# EAGLE board Mk4 Final a Panel score (EAGLE 9.0.1), part 21 of 24
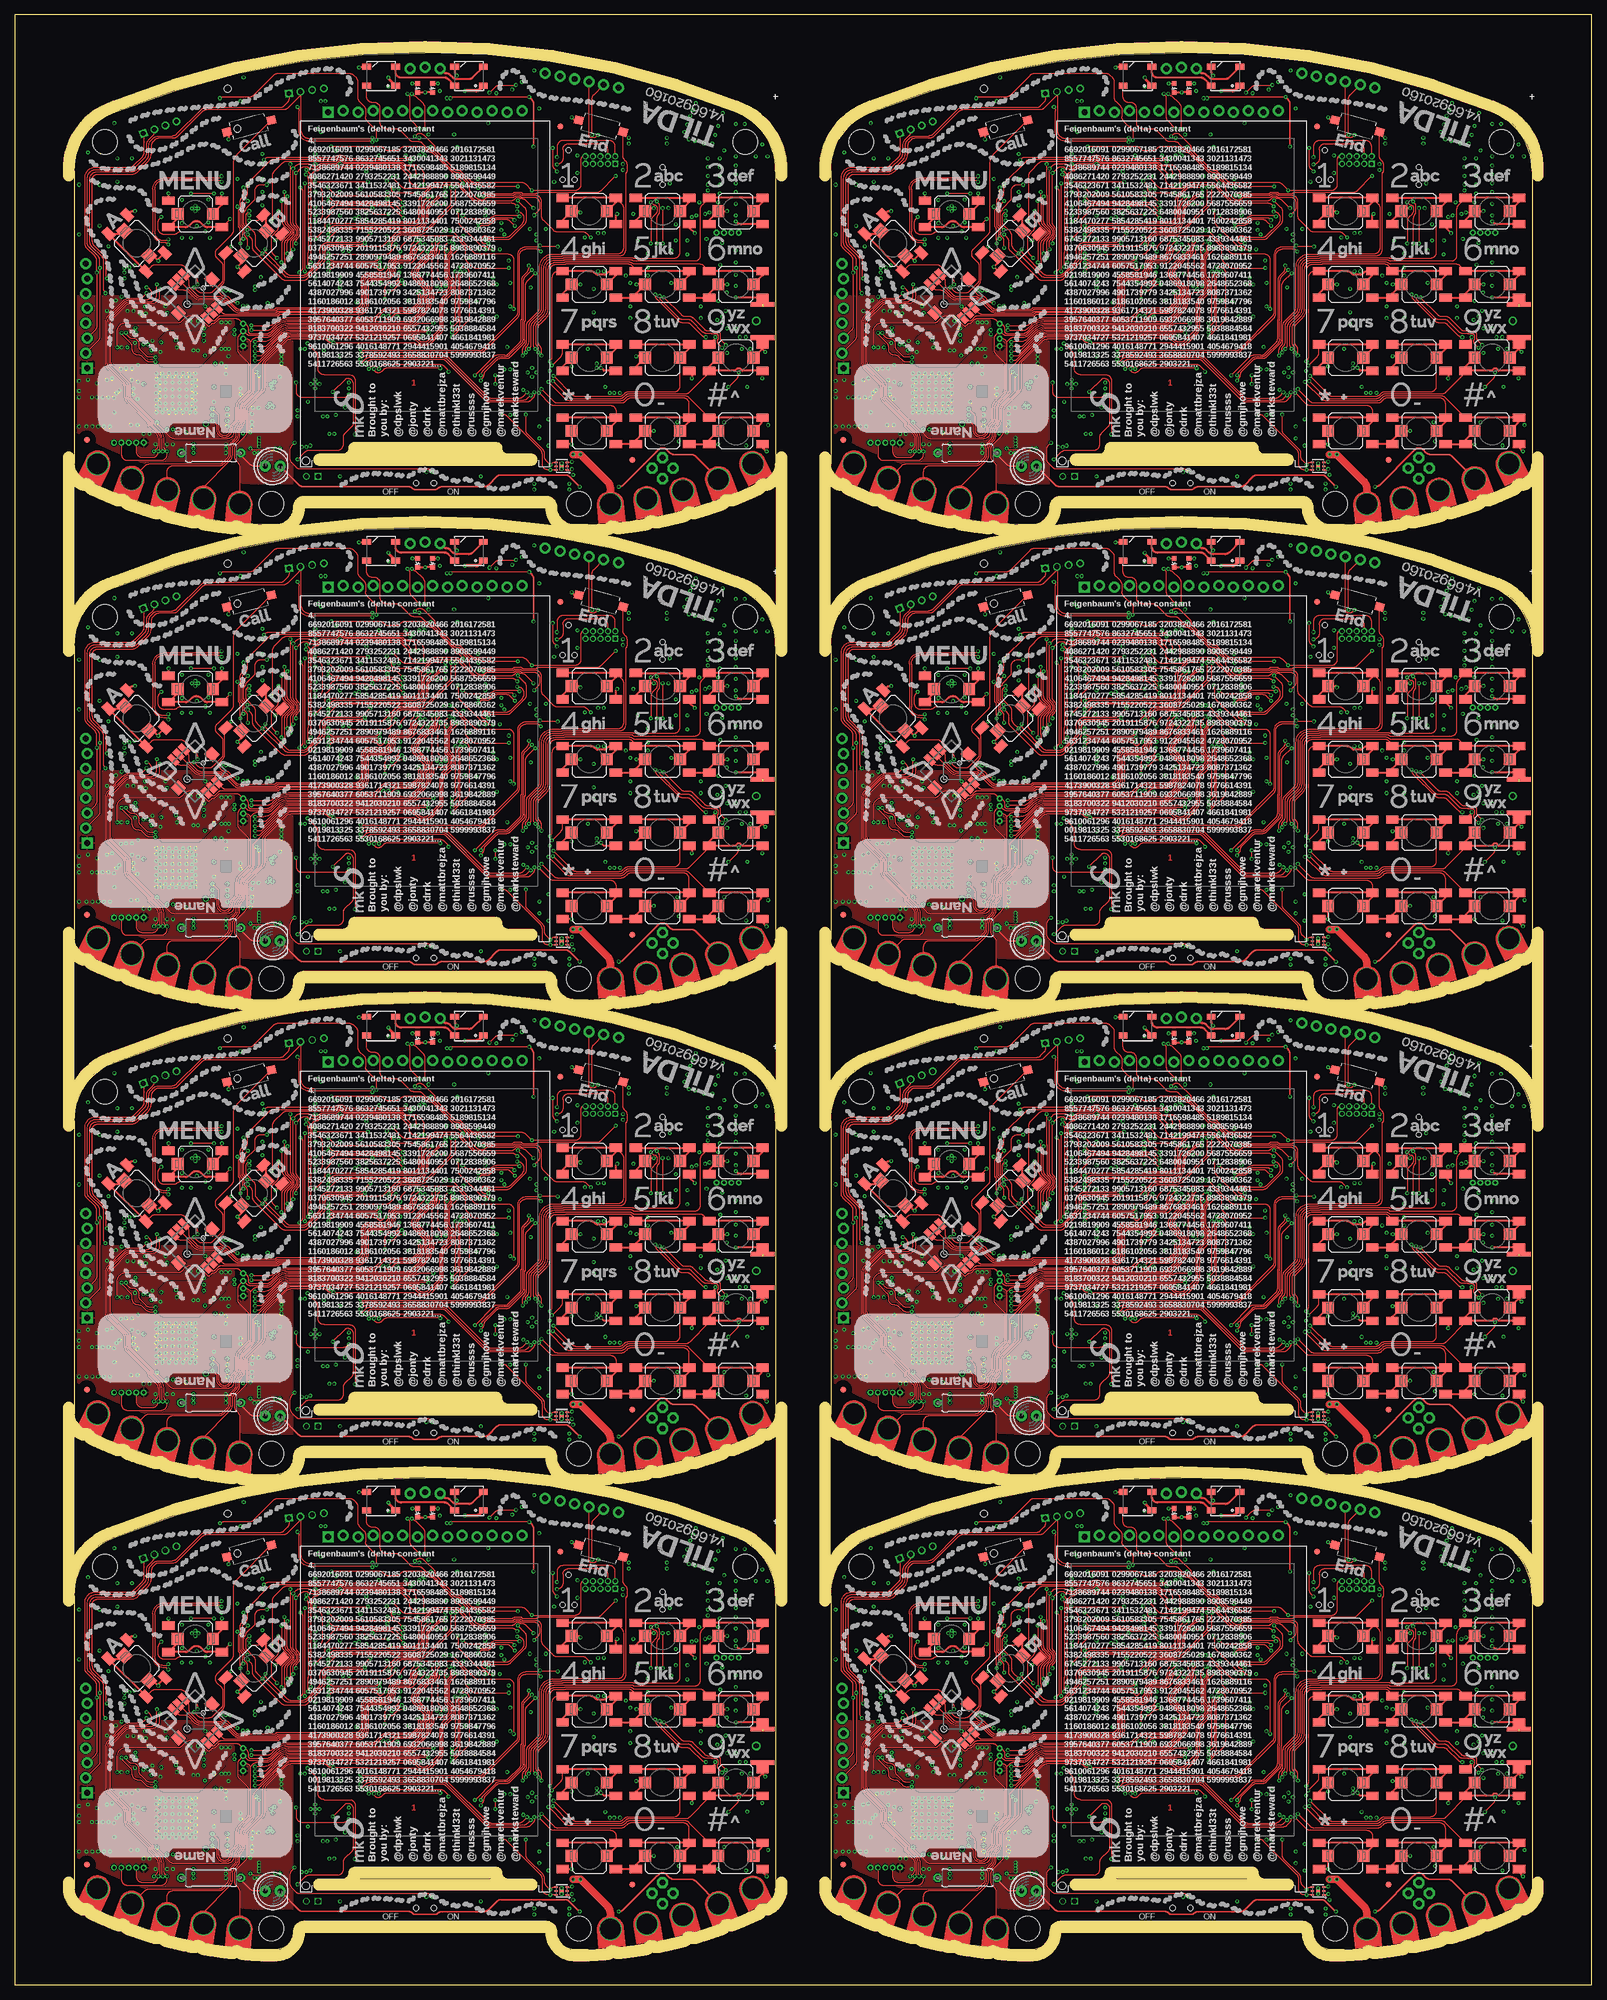
[diagram p0: board, top side]
## Tracks (layer width: path | path; a pad name or v marks a point on that pad's centre or on a via) (continued)
T4CCP13  (via drill 0.3) (continued)
  Bottom 0.15: v54.4,280.1 53.81,280.1 arc-45 53.45,280.25 50.11,283.59 arc45 48.88,284.1 43.11,284.1 arc-45 42.4,284.39 38.65,288.15 arc-45 38.5,288.5 38.5,288.7 arc90 37,290.2 34.02,290.2 arc-45 33.13,290.57 31.54,292.16 arc45 30.48,292.6 20.31,292.6 arc-45 v19.61,292.89 v19.6,292.9
  Bottom 0.2: IC110.128 76.41,295.8 arc-45 76.05,295.95 v75.8,296.2
T4CCP14  (via drill 0.3)
  Top 0.15: v204,296.2 203.72,295.92 arc45 203.57,295.57 arc-45 203.46,295.3 203.19,295.03 arc45 202.9,294.32 202.9,291.61 arc45 203.19,290.91 203.42,290.68 arc-45 203.6,290.24 203.62,290.22 203.62,289.55 arc-45 203.19,288.49 202.17,287.47 arc45 201.8,286.58 201.8,282.72 arc-45 201.43,281.83 199.87,280.27 arc-45 198.98,279.9 198.41,279.9 arc-45 197.71,280.19 197.29,280.61 arc45 196.59,280.9 183.26,280.9 arc45 182.9,280.75 v182.8,280.65 182.74,280.71 arc45 182.04,281 176.07,281 arc45 175.19,280.63 171.67,277.12 arc45 171.3,276.23 171.3,272.41 arc-45 171.01,271.71 168.67,269.37 arc45 168.3,268.48 168.3,267.01 arc-45 167.69,265.54 arc45 167.4,264.84 167.4,264.3 arc-45 166.96,263.24 166.52,262.79 arc45 166.15,261.91 166.15,260.97 arc-45 165.71,259.91 161.2,255.4 PCB7.CH2
  3V3@2 0.15: PCB7.CH2 | v149.4,293.2 149.4,292.9 149,292.5 149,290.5 148,289.5 146.5,289.5 145.6,288.6 145.6,287.6 141.37,283.37 JP71.4
  Bottom 0.15: v182.8,280.65 arc-45 182.29,280.86 179.34,283.81 arc45 177.92,284.4 172.23,284.4 arc-45 171.52,284.69 167.93,288.29 arc-45 167.8,288.6 167.8,288.75 arc90 166.05,290.5 163.06,290.5 arc-45 162.36,290.79 160.76,292.39 arc45 159.53,292.9 150.11,292.9 arc-45 v149.41,293.19 v149.4,293.2
  Bottom 0.2: v204,296.2 204.44,296.63 arc-90 205.14,296.63 205.43,296.35 arc45 205.78,296.2 IC128.127
T4CCP15  (via drill 0.3)
  Top 0.15: PCB7.CH1 167.38,258.9 arc45 167.09,259.61 166.74,259.96 arc-45 166.45,260.66 166.45,261.89 arc-45 166.74,262.59 168.28,264.12 arc45 168.6,264.91 168.6,268.46 arc-45 168.89,269.17 171.23,271.51 arc45 171.6,272.39 171.6,276.21 arc-45 171.89,276.92 175.38,280.41 arc-45 176.09,280.7 181.59,280.7 arc-45 182.29,280.41 182.45,280.25 arc45 182.81,280.1 v183.4,280.1 189,280.1 189.05,280.05 196.94,280.05 arc-45 197.64,279.76 arc45 198.02,279.6 199.08,279.6 arc45 200.14,280.04 201.66,281.56 arc45 202.1,282.62 202.1,286.49 arc-45 202.39,287.19 203.41,288.21 arc45 203.93,289.45 203.93,290.34 203.9,290.37 arc45 203.66,290.94 203.49,291.11 arc-45 203.2,291.81 203.2,294.19 arc-45 203.49,294.89 v204.8,296.2
  3V3@2 0.15: v148.6,292.9 148.6,290.6 148,290 146,290 145.25,289.25 145.25,288 143.16,285.91 JP71.5
  Bottom 0.15: v183.4,280.1 182.81,280.1 arc-45 182.45,280.25 179.11,283.59 arc45 177.88,284.1 172.11,284.1 arc-45 171.4,284.39 167.65,288.15 arc-45 167.5,288.5 167.5,288.7 arc90 166,290.2 163.02,290.2 arc-45 162.13,290.57 160.54,292.16 arc45 159.48,292.6 149.31,292.6 arc-45 v148.61,292.89 v148.6,292.9
  Bottom 0.2: IC128.128 205.41,295.8 arc-45 205.05,295.95 v204.8,296.2
TCA_!INT  (via drill 0.3)
  Top 0.15: v70.4,52.6 arc-45 70.12,52.02 68.29,50.19 arc90 68.29,47.71 69.85,46.15 arc-45 70,45.79 70,45.71 arc-45 69.85,45.35 69.65,45.15 arc45 69.5,44.79 69.5,44.35 arc-45 69.06,43.28 68.61,42.84 arc-45 67.55,42.4 64.91,42.4 arc45 64.21,42.11 v63.7,41.6
  Bottom 0.15: R76.1 64.7,33.25 arc-90 63.7,34.25 v63.7,41.6 | IC1.15 70.6,52.19 arc45 70.45,52.55 v70.4,52.6
  Bottom 0.2: IC4.22 85.71,32.25 arc-45 85.35,32.4 85.06,32.69 arc-45 85.05,32.72 arc45 84.9,33.07 84.87,33.1 arc45 84.52,33.25 R76.1
TCA_!INT1  (via drill 0.3)
  Top 0.15: v199.4,52.6 arc-45 199.12,52.02 197.29,50.19 arc90 197.29,47.71 198.85,46.15 arc-45 199,45.79 199,45.71 arc-45 198.85,45.35 198.65,45.15 arc45 198.5,44.79 198.5,44.35 arc-45 198.06,43.28 197.62,42.84 arc-45 196.55,42.4 193.91,42.4 arc45 193.21,42.11 v192.7,41.6
  Bottom 0.15: R152.1 193.7,33.25 arc-90 192.7,34.25 v192.7,41.6 | IC20.15 199.6,52.19 arc45 199.45,52.55 v199.4,52.6
  Bottom 0.2: IC31.22 214.71,32.25 arc-45 214.35,32.4 214.06,32.69 arc-45 214.05,32.72 arc45 213.9,33.07 213.87,33.1 arc45 213.51,33.25 R152.1
TCA_!INT2  (via drill 0.3)
  Top 0.15: v70.4,133.6 arc-45 70.12,133.02 68.29,131.19 arc90 68.29,128.71 69.85,127.15 arc-45 70,126.79 70,126.71 arc-45 69.85,126.35 69.65,126.15 arc45 69.5,125.79 69.5,125.35 arc-45 69.06,124.28 68.61,123.84 arc-45 67.55,123.4 64.91,123.4 arc45 64.21,123.11 v63.7,122.6
  Bottom 0.15: R230.1 64.7,114.25 arc-90 63.7,115.25 v63.7,122.6 | IC38.15 70.6,133.19 arc45 70.45,133.55 v70.4,133.6
  Bottom 0.2: IC49.22 85.71,113.25 arc-45 85.35,113.4 85.06,113.69 arc-45 85.05,113.72 arc45 84.9,114.07 84.87,114.1 arc45 84.52,114.25 R230.1
TCA_!INT3  (via drill 0.3)
  Top 0.15: v199.4,133.6 arc-45 199.12,133.02 197.29,131.19 arc90 197.29,128.71 198.85,127.15 arc-45 199,126.79 199,126.71 arc-45 198.85,126.35 198.65,126.15 arc45 198.5,125.79 198.5,125.35 arc-45 198.06,124.28 197.62,123.84 arc-45 196.55,123.4 193.91,123.4 arc45 193.21,123.11 v192.7,122.6
  Bottom 0.15: R308.1 193.7,114.25 arc-90 192.7,115.25 v192.7,122.6 | IC56.15 199.6,133.19 arc45 199.45,133.55 v199.4,133.6
  Bottom 0.2: IC67.22 214.71,113.25 arc-45 214.35,113.4 214.06,113.69 arc-45 214.05,113.72 arc45 213.9,114.07 213.87,114.1 arc45 213.51,114.25 R308.1
TCA_!INT4  (via drill 0.3)
  Top 0.15: v70.4,214.6 arc-45 70.12,214.02 68.29,212.19 arc90 68.29,209.71 69.85,208.15 arc-45 70,207.79 70,207.71 arc-45 69.85,207.35 69.65,207.15 arc45 69.5,206.79 69.5,206.35 arc-45 69.06,205.28 68.61,204.84 arc-45 67.55,204.4 64.91,204.4 arc45 64.21,204.11 v63.7,203.6
  Bottom 0.15: R386.1 64.7,195.25 arc-90 63.7,196.25 v63.7,203.6 | IC74.15 70.6,214.19 arc45 70.45,214.55 v70.4,214.6
  Bottom 0.2: IC85.22 85.71,194.25 arc-45 85.35,194.4 85.06,194.69 arc-45 85.05,194.72 arc45 84.9,195.07 84.87,195.1 arc45 84.52,195.25 R386.1
TCA_!INT5  (via drill 0.3)
  Top 0.15: v199.4,214.6 arc-45 199.12,214.02 197.29,212.19 arc90 197.29,209.71 198.85,208.15 arc-45 199,207.79 199,207.71 arc-45 198.85,207.35 198.65,207.15 arc45 198.5,206.79 198.5,206.35 arc-45 198.06,205.28 197.62,204.84 arc-45 196.55,204.4 193.91,204.4 arc45 193.21,204.11 v192.7,203.6
  Bottom 0.15: R464.1 193.7,195.25 arc-90 192.7,196.25 v192.7,203.6 | IC92.15 199.6,214.19 arc45 199.45,214.55 v199.4,214.6
  Bottom 0.2: IC103.22 214.71,194.25 arc-45 214.35,194.4 214.06,194.69 arc-45 214.05,194.72 arc45 213.9,195.07 213.87,195.1 arc45 213.51,195.25 R464.1
TCA_!INT6  (via drill 0.3)
  Top 0.15: v70.4,295.6 arc-45 70.12,295.02 68.29,293.19 arc90 68.29,290.71 69.85,289.15 arc-45 70,288.79 70,288.71 arc-45 69.85,288.35 69.65,288.15 arc45 69.5,287.79 69.5,287.35 arc-45 69.06,286.29 68.61,285.84 arc-45 67.55,285.4 64.91,285.4 arc45 64.21,285.11 v63.7,284.6
  Bottom 0.15: R542.1 64.7,276.25 arc-90 63.7,277.25 v63.7,284.6 | IC110.15 70.6,295.19 arc45 70.45,295.55 v70.4,295.6
  Bottom 0.2: IC121.22 85.71,275.25 arc-45 85.35,275.4 85.06,275.69 arc-45 85.05,275.71 arc45 84.9,276.07 84.87,276.1 arc45 84.52,276.25 R542.1
TCA_!INT7  (via drill 0.3)
  Top 0.15: v199.4,295.6 arc-45 199.12,295.02 197.29,293.19 arc90 197.29,290.71 198.85,289.15 arc-45 199,288.79 199,288.71 arc-45 198.85,288.35 198.65,288.15 arc45 198.5,287.79 198.5,287.35 arc-45 198.06,286.29 197.62,285.84 arc-45 196.55,285.4 193.91,285.4 arc45 193.21,285.11 v192.7,284.6
  Bottom 0.15: R620.1 193.7,276.25 arc-90 192.7,277.25 v192.7,284.6 | IC128.15 199.6,295.19 arc45 199.45,295.55 v199.4,295.6
  Bottom 0.2: IC139.22 214.71,275.25 arc-45 214.35,275.4 214.06,275.69 arc-45 214.05,275.71 arc45 213.9,276.07 213.87,276.1 arc45 213.51,276.25 R620.1
TPS_FB
  Bottom 0.25: IC9.2 R61.1 R60.2 C103.2
TPS_FB1
  Bottom 0.25: IC33.2 R139.1 R138.2 C211.2
TPS_FB2
  Bottom 0.25: IC51.2 R217.1 R216.2 C319.2
TPS_FB3
  Bottom 0.25: IC69.2 R295.1 R294.2 C427.2
TPS_FB4
  Bottom 0.25: IC87.2 R373.1 R372.2 C535.2
TPS_FB5
  Bottom 0.25: IC105.2 R451.1 R450.2 C643.2
TPS_FB6
  Bottom 0.25: IC123.2 R529.1 R528.2 C751.2
TPS_FB7
  Bottom 0.25: IC141.2 R607.1 R606.2 C859.2
UART0_CON_RX  (via drill 0.3)
  Top 0.15: v63.9,53.05 63.9,53.16 64.18,53.44 arc45 64.33,53.79 64.33,53.82 arc-45 64.47,54.17 65.51,55.21 arc-45 66.21,55.5 68.66,55.5 arc45 70.61,56.3 74.91,60.61 arc45 75.2,61.31 v75.2,63.5 | v99.5,72.5 v99.49,72.5 99.11,72.12 arc-45 98.76,71.97 98.47,71.97 arc-90 97.97,72.47 JP8.4
  Bottom 0.15: v63.9,53.05 63.85,53.05 63.75,52.95 arc-45 63.39,52.8 IC1.33 | v75.2,63.5 arc-45 75.47,64.14 78.13,66.81 arc-45 78.84,67.1 87.19,67.1 arc45 87.89,67.39 92.01,71.51 arc-45 92.71,71.8 98.59,71.8 arc45 98.95,71.95 v99.5,72.5
UART0_CON_RX1  (via drill 0.3)
  Top 0.15: v192.9,53.05 192.9,53.16 193.18,53.44 arc45 193.32,53.79 193.32,53.82 arc-45 193.47,54.17 194.51,55.21 arc-45 195.21,55.5 197.66,55.5 arc45 199.6,56.3 203.91,60.61 arc45 204.2,61.31 v204.2,63.5 | v228.5,72.5 v228.49,72.5 228.11,72.12 arc-45 227.76,71.97 227.47,71.97 arc-90 226.97,72.47 JP18.4
  Bottom 0.15: v192.9,53.05 192.85,53.05 192.75,52.95 arc-45 192.39,52.8 IC20.33 | v204.2,63.5 arc-45 204.47,64.14 207.13,66.81 arc-45 207.84,67.1 216.19,67.1 arc45 216.89,67.39 221.01,71.51 arc-45 221.71,71.8 227.59,71.8 arc45 227.95,71.95 v228.5,72.5
UART0_CON_RX2  (via drill 0.3)
  Top 0.15: v63.9,134.05 63.9,134.16 64.18,134.44 arc45 64.33,134.79 64.33,134.82 arc-45 64.47,135.17 65.51,136.21 arc-45 66.21,136.5 68.66,136.5 arc45 70.61,137.31 74.91,141.61 arc45 75.2,142.31 v75.2,144.5 | v99.5,153.5 v99.49,153.5 99.11,153.12 arc-45 98.76,152.97 98.47,152.97 arc-90 97.97,153.47 JP27.4
  Bottom 0.15: v63.9,134.05 63.85,134.05 63.75,133.95 arc-45 63.39,133.8 IC38.33 | v75.2,144.5 arc-45 75.47,145.14 78.13,147.81 arc-45 78.84,148.1 87.19,148.1 arc45 87.89,148.39 92.01,152.51 arc-45 92.71,152.8 98.59,152.8 arc45 98.95,152.95 v99.5,153.5
UART0_CON_RX3  (via drill 0.3)
  Top 0.15: v192.9,134.05 192.9,134.16 193.18,134.44 arc45 193.32,134.79 193.32,134.82 arc-45 193.47,135.17 194.51,136.21 arc-45 195.21,136.5 197.66,136.5 arc45 199.6,137.31 203.91,141.61 arc45 204.2,142.31 v204.2,144.5 | v228.5,153.5 v228.49,153.5 228.11,153.12 arc-45 227.76,152.97 227.47,152.97 arc-90 226.97,153.47 JP36.4
  Bottom 0.15: v192.9,134.05 192.85,134.05 192.75,133.95 arc-45 192.39,133.8 IC56.33 | v204.2,144.5 arc-45 204.47,145.14 207.13,147.81 arc-45 207.84,148.1 216.19,148.1 arc45 216.89,148.39 221.01,152.51 arc-45 221.71,152.8 227.59,152.8 arc45 227.95,152.95 v228.5,153.5
UART0_CON_RX4  (via drill 0.3)
  Top 0.15: v63.9,215.05 63.9,215.16 64.18,215.44 arc45 64.33,215.79 64.33,215.82 arc-45 64.47,216.17 65.51,217.21 arc-45 66.21,217.5 68.66,217.5 arc45 70.61,218.31 74.91,222.61 arc45 75.2,223.31 v75.2,225.5 | v99.5,234.5 v99.49,234.5 99.11,234.12 arc-45 98.76,233.97 98.47,233.97 arc-90 97.97,234.47 JP45.4
  Bottom 0.15: v63.9,215.05 63.85,215.05 63.75,214.95 arc-45 63.39,214.8 IC74.33 | v75.2,225.5 arc-45 75.47,226.14 78.13,228.81 arc-45 78.84,229.1 87.19,229.1 arc45 87.89,229.39 92.01,233.51 arc-45 92.71,233.8 98.59,233.8 arc45 98.95,233.95 v99.5,234.5
UART0_CON_RX5  (via drill 0.3)
  Top 0.15: v192.9,215.05 192.9,215.16 193.18,215.44 arc45 193.32,215.79 193.32,215.82 arc-45 193.47,216.17 194.51,217.21 arc-45 195.21,217.5 197.66,217.5 arc45 199.6,218.31 203.91,222.61 arc45 204.2,223.31 v204.2,225.5 | v228.5,234.5 v228.49,234.5 228.11,234.12 arc-45 227.76,233.97 227.47,233.97 arc-90 226.97,234.47 JP54.4
  Bottom 0.15: v192.9,215.05 192.85,215.05 192.75,214.95 arc-45 192.39,214.8 IC92.33 | v204.2,225.5 arc-45 204.47,226.14 207.13,228.81 arc-45 207.84,229.1 216.19,229.1 arc45 216.89,229.39 221.01,233.51 arc-45 221.71,233.8 227.59,233.8 arc45 227.95,233.95 v228.5,234.5
UART0_CON_RX6  (via drill 0.3)
  Top 0.15: v63.9,296.05 63.9,296.16 64.18,296.44 arc45 64.33,296.79 64.33,296.82 arc-45 64.47,297.17 65.51,298.21 arc-45 66.21,298.5 68.66,298.5 arc45 70.61,299.31 74.91,303.61 arc45 75.2,304.31 v75.2,306.5 | v99.5,315.5 v99.49,315.5 99.11,315.12 arc-45 98.76,314.98 98.47,314.98 arc-90 97.97,315.48 JP63.4
  Bottom 0.15: v63.9,296.05 63.85,296.05 63.75,295.95 arc-45 63.39,295.8 IC110.33 | v75.2,306.5 arc-45 75.47,307.14 78.13,309.81 arc-45 78.84,310.1 87.19,310.1 arc45 87.89,310.39 92.01,314.51 arc-45 92.71,314.8 98.59,314.8 arc45 98.95,314.95 v99.5,315.5
UART0_CON_RX7  (via drill 0.3)
  Top 0.15: v192.9,296.05 192.9,296.16 193.18,296.44 arc45 193.32,296.79 193.32,296.82 arc-45 193.47,297.17 194.51,298.21 arc-45 195.21,298.5 197.66,298.5 arc45 199.6,299.31 203.91,303.61 arc45 204.2,304.31 v204.2,306.5 | v228.5,315.5 v228.49,315.5 228.11,315.12 arc-45 227.76,314.98 227.47,314.98 arc-90 226.97,315.48 JP72.4
  Bottom 0.15: v192.9,296.05 192.85,296.05 192.75,295.95 arc-45 192.39,295.8 IC128.33 | v204.2,306.5 arc-45 204.47,307.14 207.13,309.81 arc-45 207.84,310.1 216.19,310.1 arc45 216.89,310.39 221.01,314.51 arc-45 221.71,314.8 227.59,314.8 arc45 227.95,314.95 v228.5,315.5
UART0_CON_TX  (via drill 0.3)
  Top 0.15: v63.8,53.8 arc-45 63.94,54.14 65.23,55.43 arc-45 66.12,55.8 68.56,55.8 arc45 70.33,56.53 74.11,60.31 arc45 74.4,61.01 v74.4,63.5 | v98.5,72.5 98.5,78.67 arc-45 98.79,79.38 JP8.5
  Bottom 0.15: v74.4,63.5 78.01,67.11 arc-45 78.71,67.4 87.04,67.4 arc45 87.74,67.69 91.86,71.81 arc-45 92.56,72.1 97.99,72.1 arc45 98.35,72.25 98.5,72.4 v98.5,72.5 | IC1.34 62.99,53.2 arc45 63.35,53.35 v63.8,53.8
UART0_CON_TX1  (via drill 0.3)
  Top 0.15: v192.8,53.8 arc-45 192.94,54.14 194.23,55.43 arc-45 195.12,55.8 197.56,55.8 arc45 199.33,56.53 203.11,60.31 arc45 203.4,61.01 v203.4,63.5 | v227.5,72.5 227.5,78.67 arc-45 227.79,79.38 JP18.5
  Bottom 0.15: v203.4,63.5 207.01,67.11 arc-45 207.71,67.4 216.04,67.4 arc45 216.74,67.69 220.86,71.81 arc-45 221.56,72.1 226.99,72.1 arc45 227.35,72.25 227.5,72.4 v227.5,72.5 | IC20.34 191.99,53.2 arc45 192.35,53.35 v192.8,53.8
UART0_CON_TX2  (via drill 0.3)
  Top 0.15: v63.8,134.8 arc-45 63.94,135.14 65.23,136.43 arc-45 66.12,136.8 68.56,136.8 arc45 70.33,137.53 74.11,141.31 arc45 74.4,142.01 v74.4,144.5 | v98.5,153.5 98.5,159.67 arc-45 98.79,160.38 JP27.5
  Bottom 0.15: v74.4,144.5 78.01,148.11 arc-45 78.71,148.4 87.04,148.4 arc45 87.74,148.69 91.86,152.81 arc-45 92.56,153.1 97.99,153.1 arc45 98.35,153.25 98.5,153.4 v98.5,153.5 | IC38.34 62.99,134.2 arc45 63.35,134.35 v63.8,134.8
UART0_CON_TX3  (via drill 0.3)
  Top 0.15: v192.8,134.8 arc-45 192.94,135.14 194.23,136.43 arc-45 195.12,136.8 197.56,136.8 arc45 199.33,137.53 203.11,141.31 arc45 203.4,142.01 v203.4,144.5 | v227.5,153.5 227.5,159.67 arc-45 227.79,160.38 JP36.5
  Bottom 0.15: v203.4,144.5 207.01,148.11 arc-45 207.71,148.4 216.04,148.4 arc45 216.74,148.69 220.86,152.81 arc-45 221.56,153.1 226.99,153.1 arc45 227.35,153.25 227.5,153.4 v227.5,153.5 | IC56.34 191.99,134.2 arc45 192.35,134.35 v192.8,134.8
UART0_CON_TX4  (via drill 0.3)
  Top 0.15: v63.8,215.8 arc-45 63.94,216.14 65.23,217.43 arc-45 66.12,217.8 68.56,217.8 arc45 70.33,218.53 74.11,222.31 arc45 74.4,223.01 v74.4,225.5 | v98.5,234.5 98.5,240.67 arc-45 98.79,241.38 JP45.5
  Bottom 0.15: v74.4,225.5 78.01,229.11 arc-45 78.71,229.4 87.04,229.4 arc45 87.74,229.69 91.86,233.81 arc-45 92.56,234.1 97.99,234.1 arc45 98.35,234.25 98.5,234.4 v98.5,234.5 | IC74.34 62.99,215.2 arc45 63.35,215.35 v63.8,215.8
UART0_CON_TX5  (via drill 0.3)
  Top 0.15: v192.8,215.8 arc-45 192.94,216.14 194.23,217.43 arc-45 195.12,217.8 197.56,217.8 arc45 199.33,218.53 203.11,222.31 arc45 203.4,223.01 v203.4,225.5 | v227.5,234.5 227.5,240.67 arc-45 227.79,241.38 JP54.5
  Bottom 0.15: v203.4,225.5 207.01,229.11 arc-45 207.71,229.4 216.04,229.4 arc45 216.74,229.69 220.86,233.81 arc-45 221.56,234.1 226.99,234.1 arc45 227.35,234.25 227.5,234.4 v227.5,234.5 | IC92.34 191.99,215.2 arc45 192.35,215.35 v192.8,215.8
UART0_CON_TX6  (via drill 0.3)
  Top 0.15: v63.8,296.8 arc-45 63.94,297.14 65.23,298.43 arc-45 66.12,298.8 68.56,298.8 arc45 70.33,299.53 74.11,303.31 arc45 74.4,304.01 v74.4,306.5 | v98.5,315.5 98.5,321.67 arc-45 98.79,322.38 JP63.5
  Bottom 0.15: v74.4,306.5 78.01,310.11 arc-45 78.71,310.4 87.04,310.4 arc45 87.74,310.69 91.86,314.81 arc-45 92.56,315.1 97.99,315.1 arc45 98.35,315.25 98.5,315.4 v98.5,315.5 | IC110.34 62.99,296.2 arc45 63.35,296.35 v63.8,296.8
UART0_CON_TX7  (via drill 0.3)
  Top 0.15: v192.8,296.8 arc-45 192.94,297.14 194.23,298.43 arc-45 195.12,298.8 197.56,298.8 arc45 199.33,299.53 203.11,303.31 arc45 203.4,304.01 v203.4,306.5 | v227.5,315.5 227.5,321.67 arc-45 227.79,322.38 JP72.5
  Bottom 0.15: v203.4,306.5 207.01,310.11 arc-45 207.71,310.4 216.04,310.4 arc45 216.74,310.69 220.86,314.81 arc-45 221.56,315.1 226.99,315.1 arc45 227.35,315.25 227.5,315.4 v227.5,315.5 | IC128.34 191.99,296.2 arc45 192.35,296.35 v192.8,296.8
UART1_SIM_RX  (via drill 0.3)
  Top 0.15: v79.1,57.4 80.34,57.4 arc45 81.04,57.69 81.38,58.03 arc-45 82.27,58.4 84.66,58.4 arc-45 84.9,58.3 v85.25,57.95
  Bottom 0.15: R36.1 TP9.TP 95.09,41.91 arc-45 94.8,42.61 94.8,45.34 arc45 94.51,46.05 85.52,55.04 arc-45 85.22,55.75 85.22,56.01 arc45 85.08,56.36 84.92,56.52 arc-45 84.78,56.87 84.78,57.01 arc-45 84.92,57.36 85.07,57.51 arc45 v85.25,57.95 | IC1.118 78.5,56.8 v79.1,57.4
UART1_SIM_RX1  (via drill 0.3)
  Top 0.15: v208.1,57.4 209.34,57.4 arc45 210.04,57.69 210.38,58.03 arc-45 211.27,58.4 213.66,58.4 arc-45 213.9,58.3 v214.25,57.95
  Bottom 0.15: R119.1 TP28.TP 224.09,41.91 arc-45 223.8,42.61 223.8,45.34 arc45 223.51,46.05 214.52,55.04 arc-45 214.22,55.75 214.22,56.01 arc45 214.08,56.36 213.92,56.52 arc-45 213.78,56.87 213.78,57.01 arc-45 213.92,57.36 214.07,57.51 arc45 v214.25,57.95 | IC20.118 207.5,56.8 v208.1,57.4
UART1_SIM_RX2  (via drill 0.3)
  Top 0.15: v79.1,138.4 80.34,138.4 arc45 81.04,138.69 81.38,139.03 arc-45 82.27,139.4 84.66,139.4 arc-45 84.9,139.3 v85.25,138.95
  Bottom 0.15: R197.1 TP47.TP 95.09,122.91 arc-45 94.8,123.61 94.8,126.34 arc45 94.51,127.05 85.52,136.04 arc-45 85.22,136.75 85.22,137.01 arc45 85.08,137.36 84.92,137.52 arc-45 84.78,137.87 84.78,138.01 arc-45 84.92,138.36 85.07,138.51 arc45 v85.25,138.95 | IC38.118 78.5,137.8 v79.1,138.4
UART1_SIM_RX3  (via drill 0.3)
  Top 0.15: v208.1,138.4 209.34,138.4 arc45 210.04,138.69 210.38,139.03 arc-45 211.27,139.4 213.66,139.4 arc-45 213.9,139.3 v214.25,138.95
  Bottom 0.15: R275.1 TP66.TP 224.09,122.91 arc-45 223.8,123.61 223.8,126.34 arc45 223.51,127.05 214.52,136.04 arc-45 214.22,136.75 214.22,137.01 arc45 214.08,137.36 213.92,137.52 arc-45 213.78,137.87 213.78,138.01 arc-45 213.92,138.36 214.07,138.51 arc45 v214.25,138.95 | IC56.118 207.5,137.8 v208.1,138.4
UART1_SIM_RX4  (via drill 0.3)
  Top 0.15: v79.1,219.4 80.34,219.4 arc45 81.04,219.69 81.38,220.03 arc-45 82.27,220.4 84.66,220.4 arc-45 84.9,220.3 v85.25,219.95
  Bottom 0.15: R353.1 TP85.TP 95.09,203.91 arc-45 94.8,204.61 94.8,207.34 arc45 94.51,208.05 85.52,217.04 arc-45 85.22,217.75 85.22,218.01 arc45 85.08,218.36 84.92,218.52 arc-45 84.78,218.87 84.78,219.01 arc-45 84.92,219.36 85.07,219.51 arc45 v85.25,219.95 | IC74.118 78.5,218.8 v79.1,219.4
UART1_SIM_RX5  (via drill 0.3)
  Top 0.15: v208.1,219.4 209.34,219.4 arc45 210.04,219.69 210.38,220.03 arc-45 211.27,220.4 213.66,220.4 arc-45 213.9,220.3 v214.25,219.95
  Bottom 0.15: R431.1 TP104.TP 224.09,203.91 arc-45 223.8,204.61 223.8,207.34 arc45 223.51,208.05 214.52,217.04 arc-45 214.22,217.75 214.22,218.01 arc45 214.08,218.36 213.92,218.52 arc-45 213.78,218.87 213.78,219.01 arc-45 213.92,219.36 214.07,219.51 arc45 v214.25,219.95 | IC92.118 207.5,218.8 v208.1,219.4
UART1_SIM_RX6  (via drill 0.3)
  Top 0.15: v79.1,300.4 80.34,300.4 arc45 81.04,300.69 81.38,301.03 arc-45 82.27,301.4 84.66,301.4 arc-45 84.9,301.3 v85.25,300.95
  Bottom 0.15: R509.1 TP123.TP 95.09,284.91 arc-45 94.8,285.61 94.8,288.34 arc45 94.51,289.05 85.52,298.04 arc-45 85.22,298.75 85.22,299.01 arc45 85.08,299.36 84.92,299.52 arc-45 84.78,299.87 84.78,300.01 arc-45 84.92,300.36 85.07,300.51 arc45 v85.25,300.95 | IC110.118 78.5,299.8 v79.1,300.4
UART1_SIM_RX7  (via drill 0.3)
  Top 0.15: v208.1,300.4 209.34,300.4 arc45 210.04,300.69 210.38,301.03 arc-45 211.27,301.4 213.66,301.4 arc-45 213.9,301.3 v214.25,300.95
  Bottom 0.15: R587.1 TP142.TP 224.09,284.91 arc-45 223.8,285.61 223.8,288.34 arc45 223.51,289.05 214.52,298.04 arc-45 214.22,298.75 214.22,299.01 arc45 214.08,299.36 213.92,299.52 arc-45 213.78,299.87 213.78,300.01 arc-45 213.92,300.36 214.07,300.51 arc45 v214.25,300.95 | IC128.118 207.5,299.8 v208.1,300.4
UART1_SIM_TX  (via drill 0.3)
  Top 0.15: v79.1,56.6 79.6,57.1 80.54,57.1 arc45 81.24,57.39 81.66,57.81 arc-45 82.36,58.1 83.79,58.1 arc-45 84.49,57.81 v85.3,57
  Bottom 0.15: R37.1 TP8.TP 95.39,43.61 arc-45 95.1,44.31 95.1,45.47 arc45 94.81,46.17 85.82,55.16 arc-45 85.53,55.87 85.53,56.56 arc45 85.38,56.91 85.3,56.99 v85.3,57 | IC1.119 78.9,56.4 v79.1,56.6
UART1_SIM_TX1  (via drill 0.3)
  Top 0.15: v208.1,56.6 208.6,57.1 209.54,57.1 arc45 210.24,57.39 210.66,57.81 arc-45 211.36,58.1 212.79,58.1 arc-45 213.49,57.81 v214.3,57
  Bottom 0.15: R120.1 TP27.TP 224.39,43.61 arc-45 224.1,44.31 224.1,45.47 arc45 223.81,46.17 214.82,55.16 arc-45 214.53,55.87 214.53,56.56 arc45 214.38,56.91 214.3,56.99 v214.3,57 | IC20.119 207.9,56.4 v208.1,56.6
UART1_SIM_TX2  (via drill 0.3)
  Top 0.15: v79.1,137.6 79.6,138.1 80.54,138.1 arc45 81.24,138.39 81.66,138.81 arc-45 82.36,139.1 83.79,139.1 arc-45 84.49,138.81 v85.3,138
  Bottom 0.15: R198.1 TP46.TP 95.39,124.61 arc-45 95.1,125.31 95.1,126.47 arc45 94.81,127.17 85.82,136.16 arc-45 85.53,136.87 85.53,137.56 arc45 85.38,137.91 v85.3,137.99 v85.3,138 | IC38.119 78.9,137.4 v79.1,137.6
UART1_SIM_TX3  (via drill 0.3)
  Top 0.15: v208.1,137.6 208.6,138.1 209.54,138.1 arc45 210.24,138.39 210.66,138.81 arc-45 211.36,139.1 212.79,139.1 arc-45 213.49,138.81 v214.3,138
  Bottom 0.15: R276.1 TP65.TP 224.39,124.61 arc-45 224.1,125.31 224.1,126.47 arc45 223.81,127.17 214.82,136.16 arc-45 214.53,136.87 214.53,137.56 arc45 214.38,137.91 v214.3,137.99 v214.3,138 | IC56.119 207.9,137.4 v208.1,137.6
UART1_SIM_TX4  (via drill 0.3)
  Top 0.15: v79.1,218.6 79.6,219.1 80.54,219.1 arc45 81.24,219.39 81.66,219.81 arc-45 82.36,220.1 83.79,220.1 arc-45 84.49,219.81 v85.3,219
  Bottom 0.15: R354.1 TP84.TP 95.39,205.61 arc-45 95.1,206.31 95.1,207.47 arc45 94.81,208.18 85.82,217.16 arc-45 85.53,217.87 85.53,218.56 arc45 85.38,218.91 v85.3,218.99 v85.3,219 | IC74.119 78.9,218.4 v79.1,218.6
UART1_SIM_TX5  (via drill 0.3)
  Top 0.15: v208.1,218.6 208.6,219.1 209.54,219.1 arc45 210.24,219.39 210.66,219.81 arc-45 211.36,220.1 212.79,220.1 arc-45 213.49,219.81 v214.3,219
  Bottom 0.15: R432.1 TP103.TP 224.39,205.61 arc-45 224.1,206.31 224.1,207.47 arc45 223.81,208.18 214.82,217.16 arc-45 214.53,217.87 214.53,218.56 arc45 214.38,218.91 v214.3,218.99 v214.3,219 | IC92.119 207.9,218.4 v208.1,218.6
UART1_SIM_TX6  (via drill 0.3)
  Top 0.15: v79.1,299.6 79.6,300.1 80.54,300.1 arc45 81.24,300.39 81.66,300.81 arc-45 82.36,301.1 83.79,301.1 arc-45 84.49,300.81 v85.3,300
  Bottom 0.15: R510.1 TP122.TP 95.39,286.61 arc-45 95.1,287.31 95.1,288.47 arc45 94.81,289.18 85.82,298.17 arc-45 85.53,298.87 85.53,299.56 arc45 85.38,299.91 85.3,299.99 v85.3,300 | IC110.119 78.9,299.4 v79.1,299.6
UART1_SIM_TX7  (via drill 0.3)
  Top 0.15: v208.1,299.6 208.6,300.1 209.54,300.1 arc45 210.24,300.39 210.66,300.81 arc-45 211.36,301.1 212.79,301.1 arc-45 213.49,300.81 v214.3,300
  Bottom 0.15: R588.1 TP141.TP 224.39,286.61 arc-45 224.1,287.31 224.1,288.47 arc45 223.81,289.18 214.82,298.17 arc-45 214.53,298.87 214.53,299.56 arc45 214.38,299.91 214.3,299.99 v214.3,300 | IC128.119 207.9,299.4 v208.1,299.6
UART3_CC_RX  (via drill 0.3)
  Top 0.15: v33.75,25.75 34.46,25.04 arc-45 34.75,24.34 34.75,22.25 arc90 35.75,21.25 35.8,21.25 arc90 36.8,22.25 arc-45 37.24,23.31 37.51,23.58 arc45 37.8,24.29 37.8,25.95 arc-45 38.31,27.18 39.66,28.53 arc45 39.95,29.24 39.95,33.14 arc45 39.66,33.84 38.29,35.21 arc-45 38,35.91 38,37.63 arc-45 38.29,38.33 JP5.3 39.04,39.04 39.48,38.59 arc45 40.19,38.3 42.94,38.3 arc45 43.82,38.67 44.68,39.52 arc-45 46.8,40.4 67.01,40.4 arc45 67.9,40.77 70.11,42.98 arc45 70.4,43.68 70.4,44.19 arc-45 70.55,44.55 70.75,44.75 arc45 70.9,45.11 70.9,45.98 arc45 70.53,46.87 69.1,48.3 arc-90 69.1,49.71 71.45,52.06 arc45 71.6,52.42 71.6,52.43 arc-45 71.75,52.78 arc45 71.83,52.97 71.83,54.12 arc-45 71.97,54.47 v72,54.5
  Bottom 0.15: IC15.55 32.35,29.25 arc-90 33.35,28.25 33.35,26.35 arc45 33.41,26.21 33.47,26.15 arc-45 33.52,26.01 33.52,25.98 v33.75,25.75 R68.1 | IC1.116 73,57.6 arc90 72,56.6 v72,54.5
UART3_CC_RX1  (via drill 0.3)
  Top 0.15: v162.75,25.75 163.46,25.04 arc-45 163.75,24.34 163.75,22.25 arc90 164.75,21.25 164.8,21.25 arc90 165.8,22.25 arc-45 166.24,23.31 166.51,23.58 arc45 166.8,24.29 166.8,25.95 arc-45 167.31,27.18 168.66,28.53 arc45 168.95,29.24 168.95,33.14 arc45 168.66,33.84 167.29,35.21 arc-45 167,35.91 167,37.63 arc-45 167.29,38.33 JP16.3 168.04,39.04 168.48,38.59 arc45 169.19,38.3 171.94,38.3 arc45 172.82,38.67 173.68,39.52 arc-45 175.8,40.4 196.01,40.4 arc45 196.9,40.77 199.11,42.98 arc45 199.4,43.68 199.4,44.19 arc-45 199.55,44.55 199.75,44.75 arc45 199.9,45.11 199.9,45.98 arc45 199.53,46.87 198.1,48.3 arc-90 198.1,49.71 200.45,52.06 arc45 200.6,52.42 200.6,52.43 arc-45 200.75,52.78 arc45 200.82,52.97 200.82,54.12 arc-45 200.97,54.47 v201,54.5